# Altium PCB ROBOT_PCB.PcbDoc (part 1 of 3)
Units mm, origin at the board's own origin, x right, y up, seen from the top; angles counter-clockwise.
Board outline 200 x 120 mm, 4 copper layers (Top Layer, POWER, GND, Bottom Layer), stack 2.008 mm thick; 282 components, 218 nets, 958 pads, 289 vias.
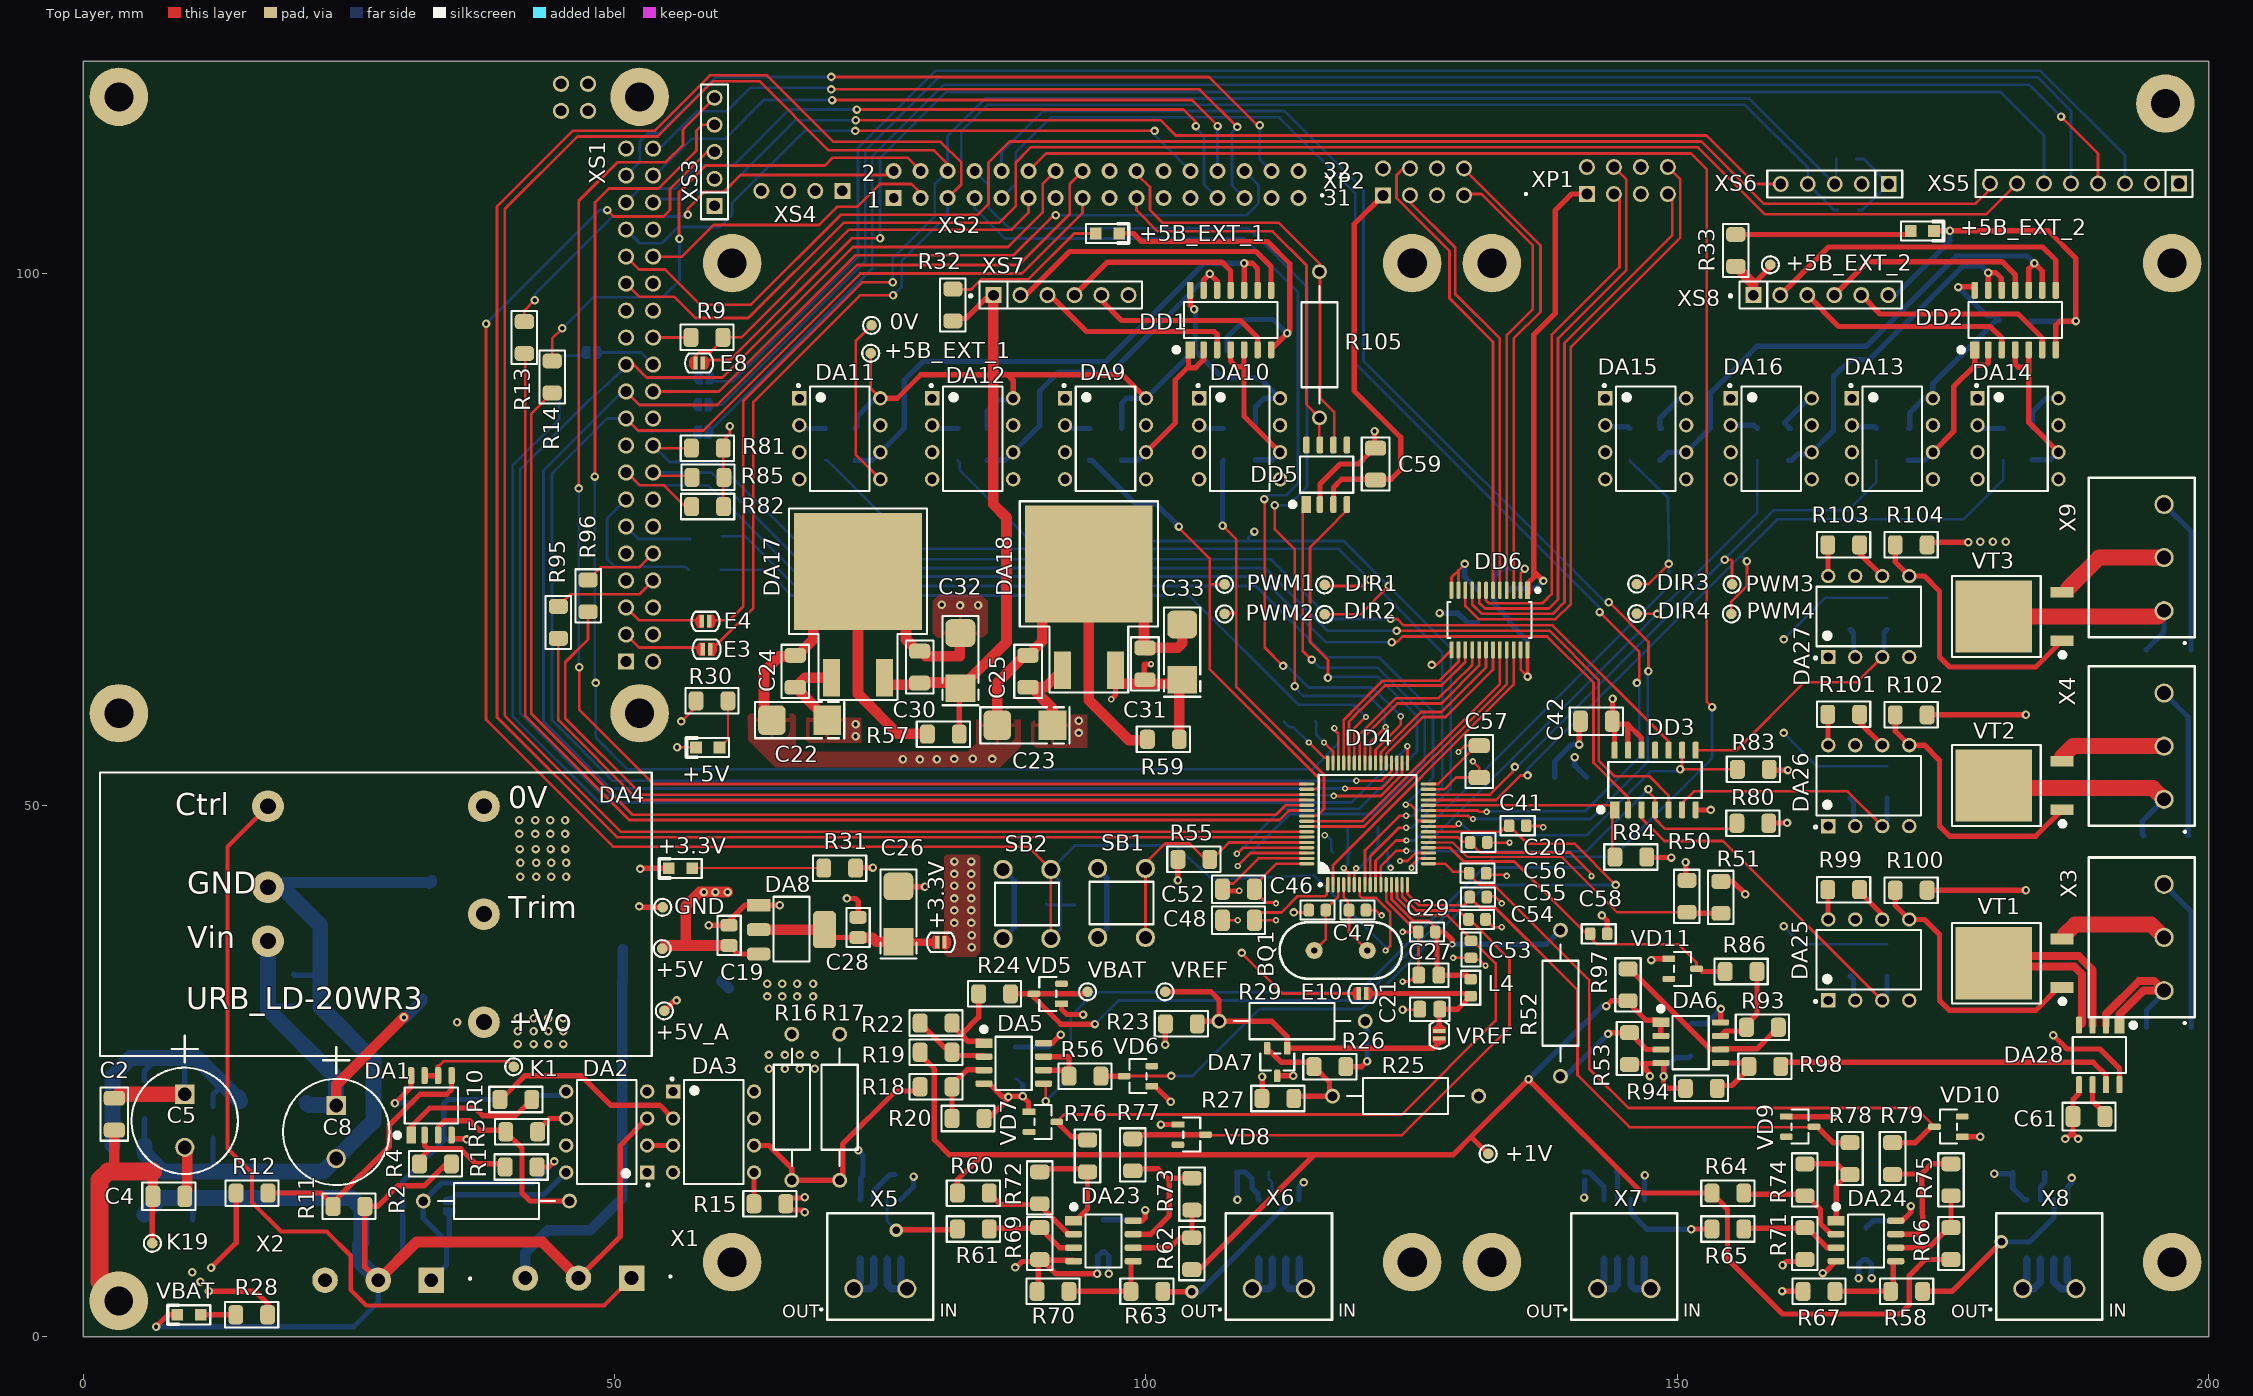
[diagram p0: Top Layer view]
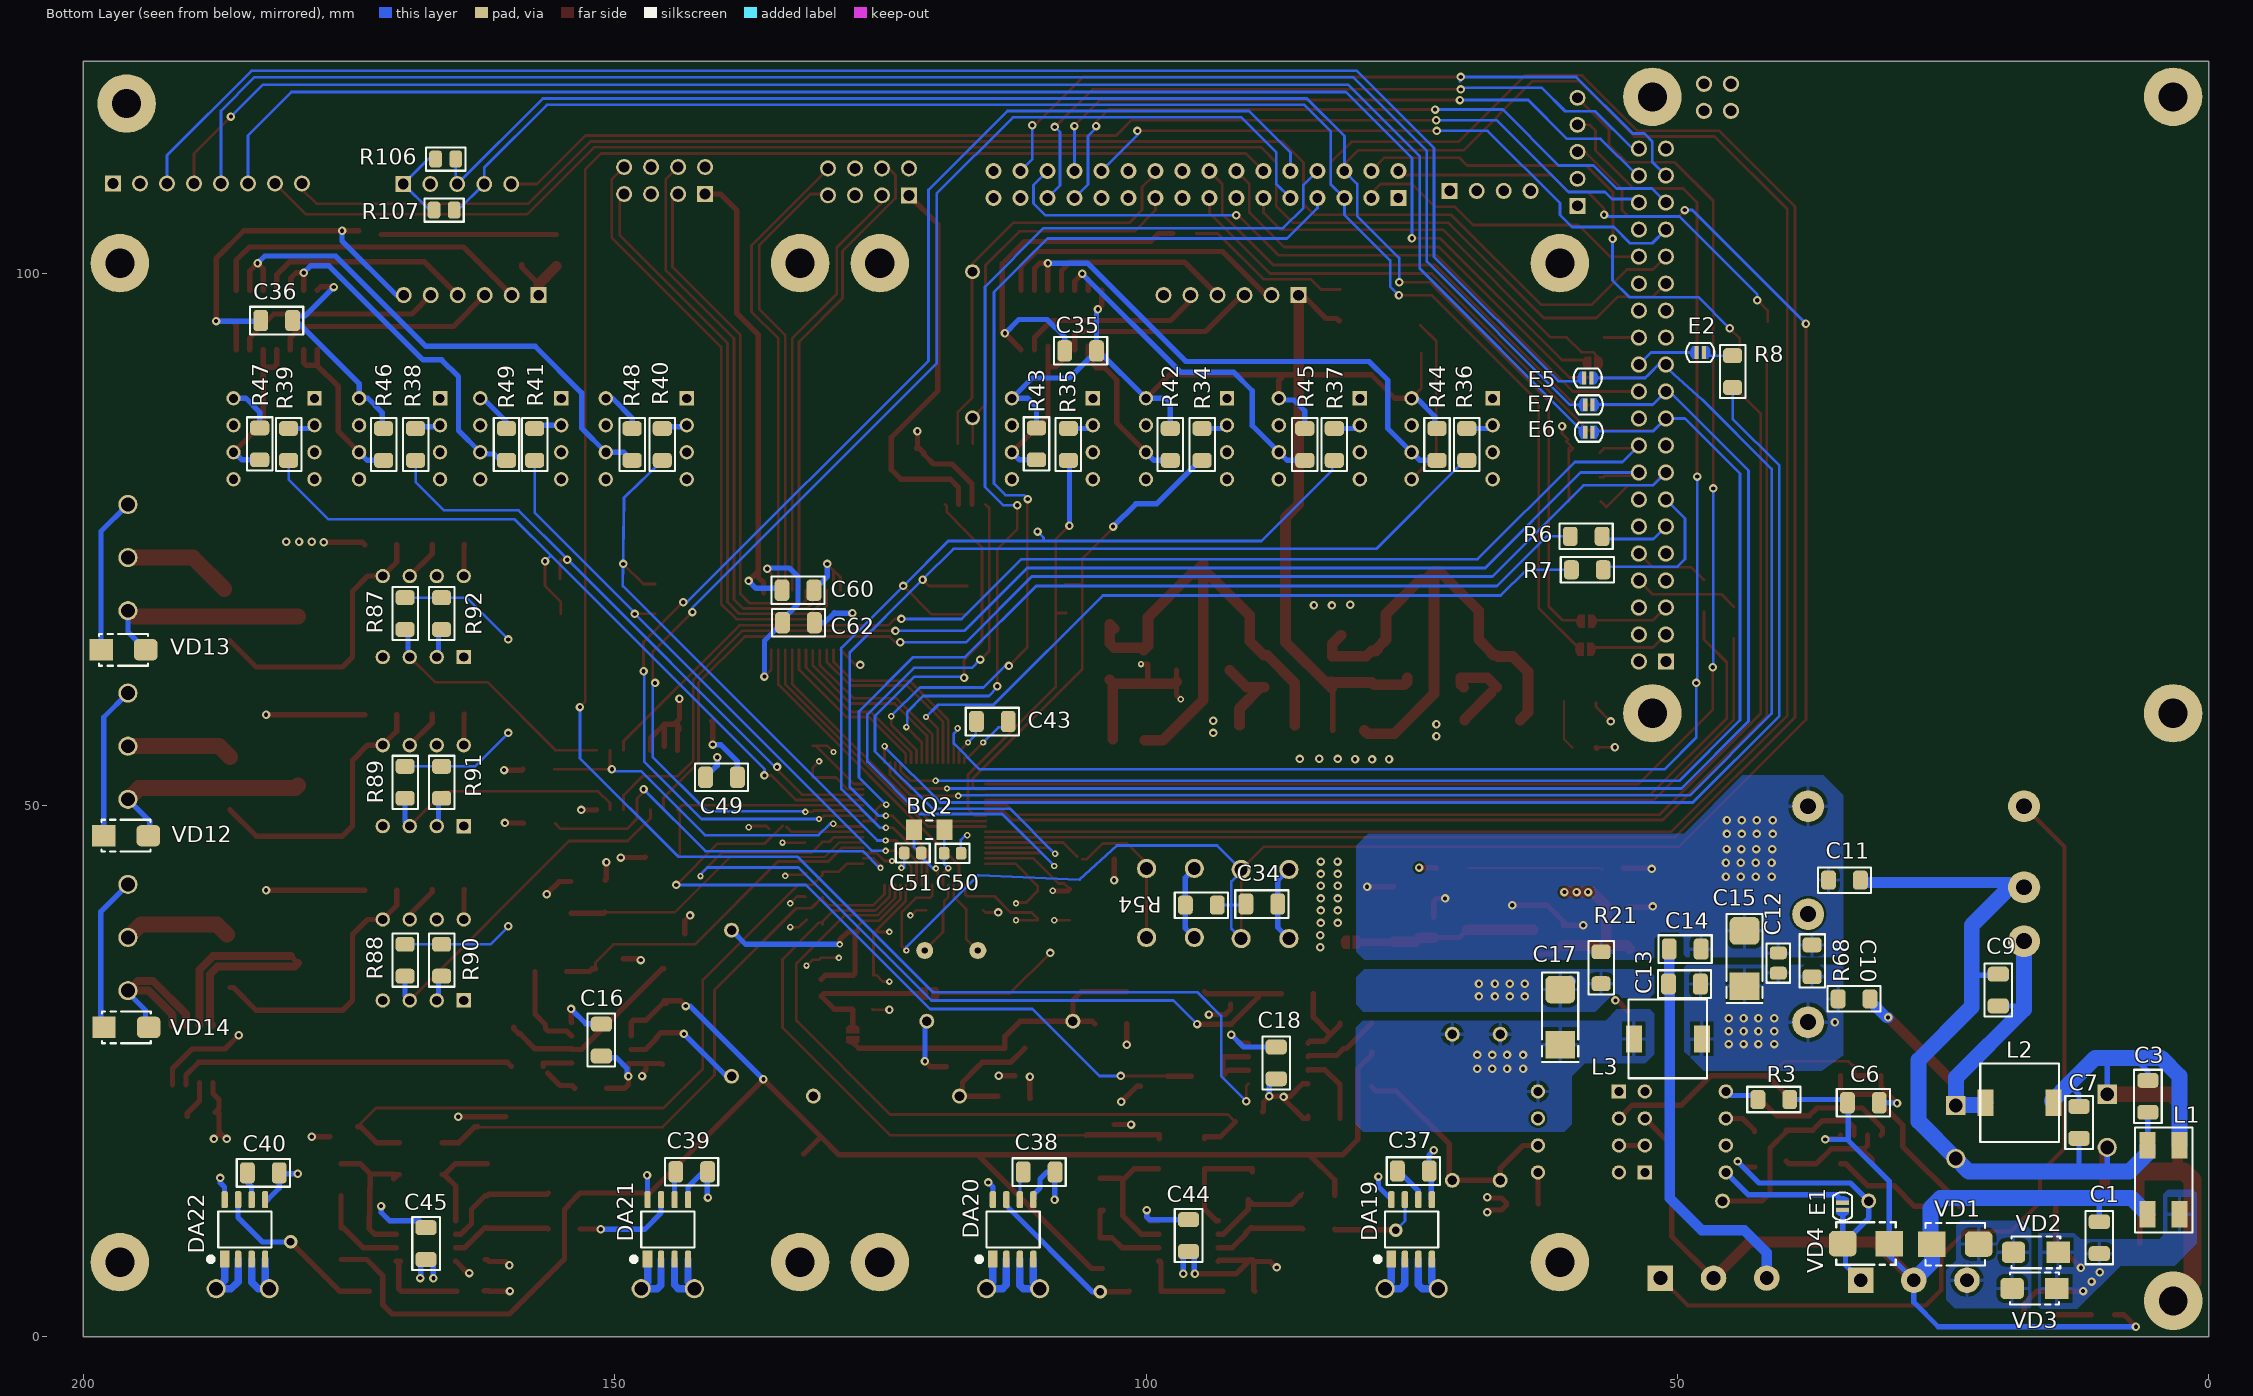
[diagram p1: Bottom Layer view, seen from below]
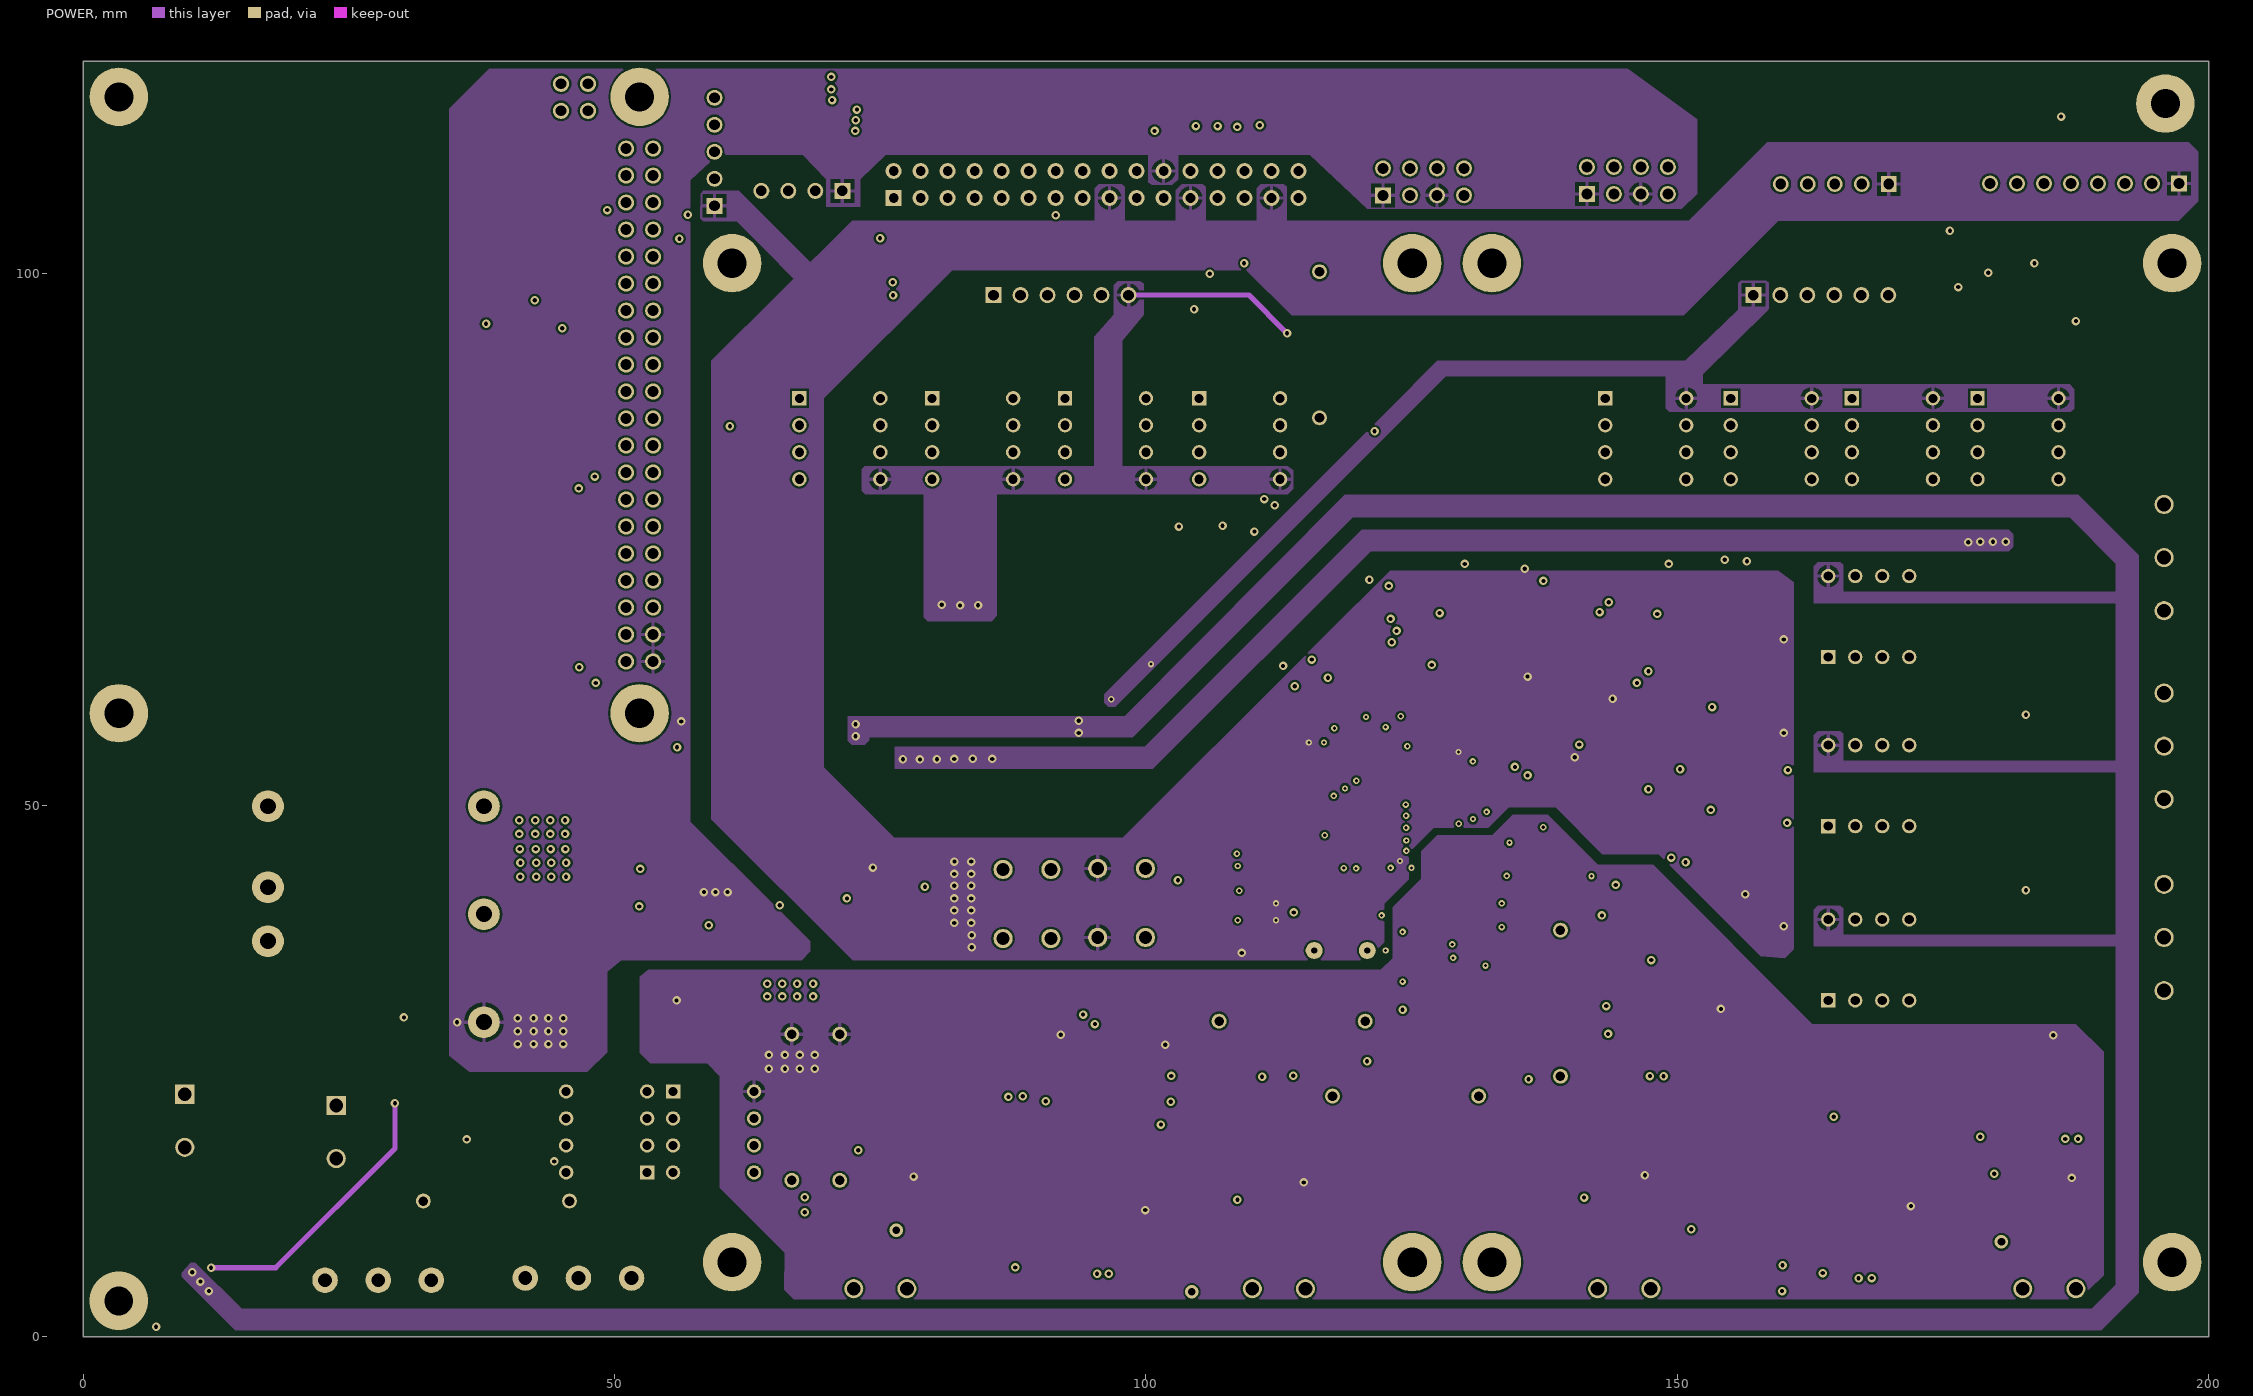
[diagram p2: POWER]
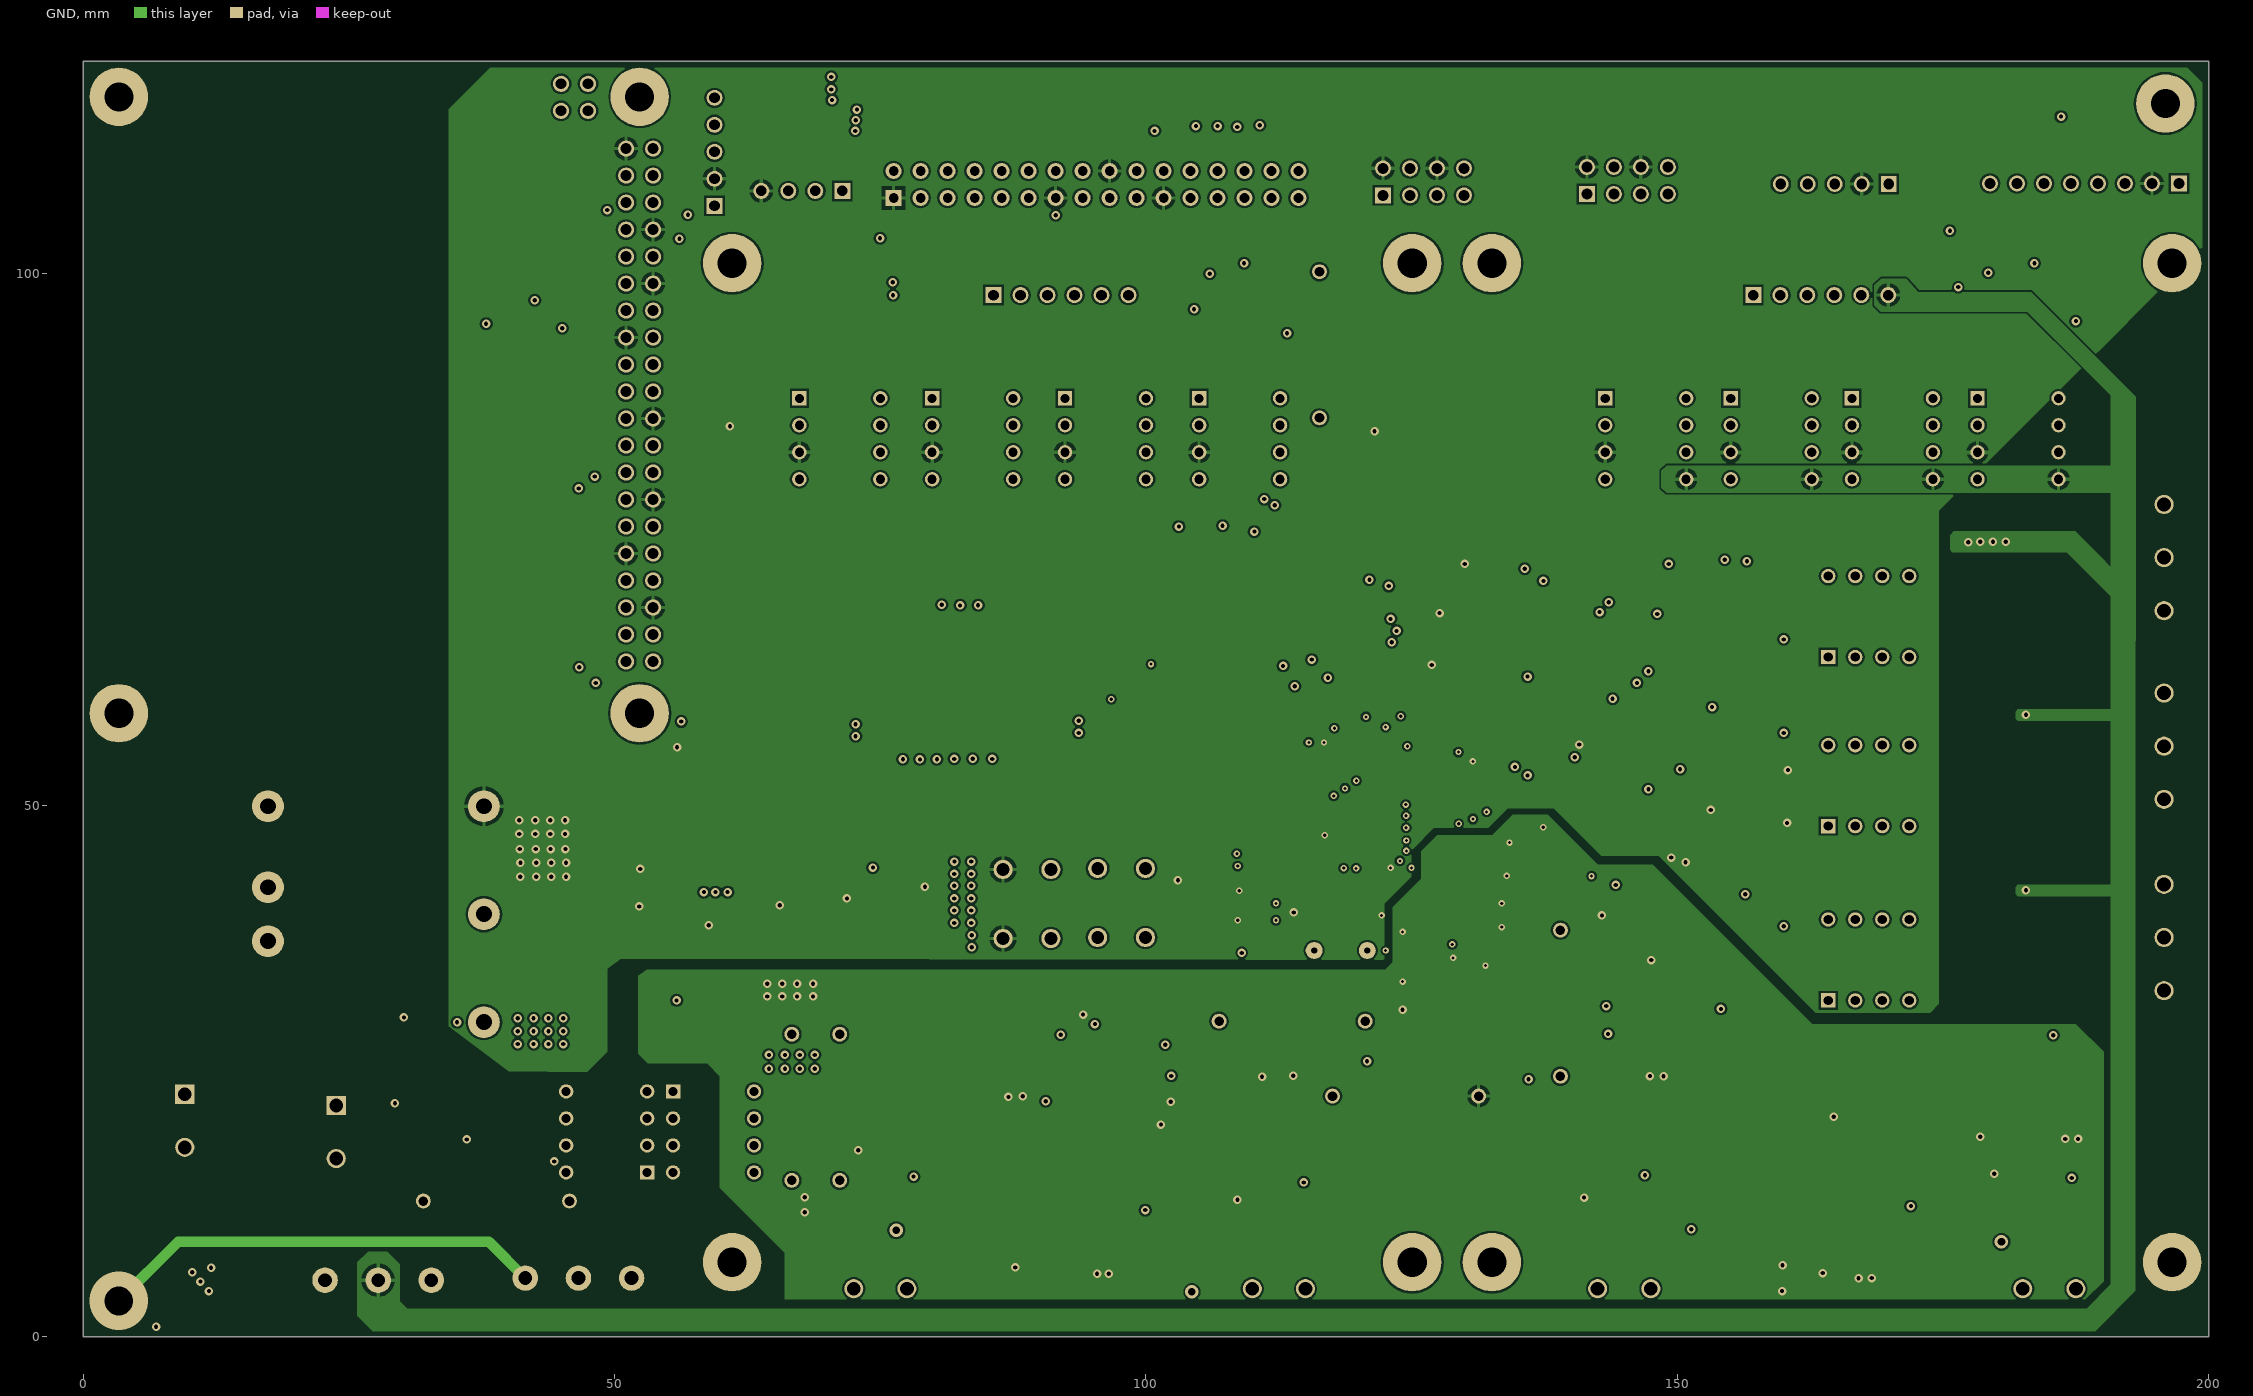
[diagram p3: GND]

## Layer stack, top to bottom
Top Solder: solder mask 0.0254, SM-001, Dk 3.5
Top Layer: signal copper 0.035
Dielectric 1: prepreg 0.193, FR4, Dk 4.6
Dielectric 2: prepreg 0.193, FR4, Dk 4.6
Dielectric 3: prepreg 0.193, FR4, Dk 4.6
POWER: signal copper 0.035
Dielectric 4: core 0.71, FR4, Dk 4.6
GND: signal copper 0.035
Dielectric 5: prepreg 0.193, FR4, Dk 4.6
Dielectric 6: prepreg 0.193, FR4, Dk 4.6
Dielectric 7: prepreg 0.193, FR4, Dk 4.6
Bottom Layer: signal copper 0.035
Bottom Solder: solder mask 0.0254, SM-001, Dk 3.5

## Board outline
0,0 0,120 200,120 200,0

## Design rules (kind name [scope] priority, off if disabled: settings)
AcuteAngle [All] p1: minimum=3.50000000000000E+0001 checktracksonly=FALSE
BoardOutlineClearance "BoardOutlineClearance 1" [All] p1: gap=0.25 ignorepadtopadclearanceinfootprint=FALSE except(0: Arc-SplitContinuation Track-SplitContinuation SMDPad-SplitContinuation THPad-SplitContinuation Via-SplitContinuation Fill-SplitContinuation Poly-SplitContinuation Region-SplitContinuation Text-SplitContinuation) // Milling
BoardOutlineClearance "BoardOutlineClearance 2" [All] p2: gap=0.4 ignorepadtopadclearanceinfootprint=FALSE except(0: Arc-SplitContinuation Track-SplitContinuation SMDPad-SplitContinuation THPad-SplitContinuation Via-SplitContinuation Fill-SplitContinuation Poly-SplitContinuation Region-SplitContinuation Text-SplitContinuation) // V-Cut
Clearance "Clearance-1 1 Oz" [All] p1: gap=0.2 ignorepadtopadclearanceinfootprint=FALSE // Standart
DiffPairsRouting "DiffPairsRouting 1 Oz" [All] p1: maxlimit=0.254 minlimit=0.2 mostfreqgap=0.254 toplayer_minwidth=0.2 toplayer_maxwidth=0.381 toplayer_prefwidth=0.381 midlayer1_minwidth=0.2 midlayer1_maxwidth=0.381 midlayer1_prefwidth=0.381 midlayer2_minwidth=0.2 midlayer2_maxwidth=0.381 midlayer2_prefwidth=0.381 bottomlayer_minwidth=0.2 bottomlayer_maxwidth=0.381 bottomlayer_prefwidth=0.381 substack1={6C077AE9-DDCA-492A-B8BC-C937FA85A17B} toplayer_{6c077ae9-ddca-492a-b8bc-c937fa85a17b}_minwidth=0.381 toplayer_{6c077ae9-ddca-492a-b8bc-c937fa85a17b}_maxwidth=0.381 toplayer_{6c077ae9-ddca-492a-b8bc-c937fa85a17b}_prefwidth=0.381 midlayer1_{6c077ae9-ddca-492a-b8bc-c937fa85a17b}_minwidth=0.381 midlayer1_{6c077ae9-ddca-492a-b8bc-c937fa85a17b}_maxwidth=0.381 midlayer1_{6c077ae9-ddca-492a-b8bc-c937fa85a17b}_prefwidth=0.381 midlayer2_{6c077ae9-ddca-492a-b8bc-c937fa85a17b}_minwidth=0.381 midlayer2_{6c077ae9-ddca-492a-b8bc-c937fa85a17b}_maxwidth=0.381 midlayer2_{6c077ae9-ddca-492a-b8bc-c937fa85a17b}_prefwidth=0.381 bottomlayer_{6c077ae9-ddca-492a-b8bc-c937fa85a17b}_minwidth=0.381 bottomlayer_{6c077ae9-ddca-492a-b8bc-c937fa85a17b}_maxwidth=0.381 bottomlayer_{6c077ae9-ddca-492a-b8bc-c937fa85a17b}_prefwidth=0.381 maxuncoupledlength=12.7
DiffPairsRouting "DiffPairsRouting 1/2 Oz" [All] p2: maxlimit=0.254 minlimit=0.1 mostfreqgap=0.254 toplayer_minwidth=0.1 toplayer_maxwidth=0.381 toplayer_prefwidth=0.381 midlayer1_minwidth=0.1 midlayer1_maxwidth=0.381 midlayer1_prefwidth=0.381 midlayer2_minwidth=0.1 midlayer2_maxwidth=0.381 midlayer2_prefwidth=0.381 bottomlayer_minwidth=0.1 bottomlayer_maxwidth=0.381 bottomlayer_prefwidth=0.381 substack1={6C077AE9-DDCA-492A-B8BC-C937FA85A17B} toplayer_{6c077ae9-ddca-492a-b8bc-c937fa85a17b}_minwidth=0.381 toplayer_{6c077ae9-ddca-492a-b8bc-c937fa85a17b}_maxwidth=0.381 toplayer_{6c077ae9-ddca-492a-b8bc-c937fa85a17b}_prefwidth=0.381 midlayer1_{6c077ae9-ddca-492a-b8bc-c937fa85a17b}_minwidth=0.381 midlayer1_{6c077ae9-ddca-492a-b8bc-c937fa85a17b}_maxwidth=0.381 midlayer1_{6c077ae9-ddca-492a-b8bc-c937fa85a17b}_prefwidth=0.381 midlayer2_{6c077ae9-ddca-492a-b8bc-c937fa85a17b}_minwidth=0.381 midlayer2_{6c077ae9-ddca-492a-b8bc-c937fa85a17b}_maxwidth=0.381 midlayer2_{6c077ae9-ddca-492a-b8bc-c937fa85a17b}_prefwidth=0.381 bottomlayer_{6c077ae9-ddca-492a-b8bc-c937fa85a17b}_minwidth=0.381 bottomlayer_{6c077ae9-ddca-492a-b8bc-c937fa85a17b}_maxwidth=0.381 bottomlayer_{6c077ae9-ddca-492a-b8bc-c937fa85a17b}_prefwidth=0.381 maxuncoupledlength=12.7
HoleSize "Minimum HoleSize" [IsPad] p1: absolutevalues=TRUE maxlimit=5.9 minlimit=0.6 maxpercent=80.000 minpercent=20.000
HoleSize "Minimum HoleSize VIA 1" [IsVia] p2: absolutevalues=TRUE maxlimit=5.9 minlimit=0.3 maxpercent=80.000 minpercent=20.000 // Standart
HoleSize "Minimum HoleSize VIA 2" [IsVia] p3: absolutevalues=TRUE maxlimit=5.9 minlimit=0.2 maxpercent=80.000 minpercent=20.000 // Advance
HoleToHoleClearance Hole2HoleClearance [All] p1: gap=0.25 allowstackedmicrovias=FALSE
MinimumAnnularRing "Minimum AR VIA Standart" [IsVia] p1: minimumring=0.15
MinimumAnnularRing "Minimum AR PAD Standart" [IsPAD] p2: minimumring=0.2
MinimumAnnularRing "Minimum AR VIA Advance" [IsVia] p3: minimumring=0.1
MinimumAnnularRing "Minimum AR PAD Advance" [IsPAD] p4: minimumring=0.15
MinimumSolderMaskSliver "SolderMask Bridge Standart" [All] p1: minsoldermaskwidth=0.2 // All Masks
MinimumSolderMaskSliver "SolderMask Bridge Advance" [All] p2: minsoldermaskwidth=0.2 // Mask LDI
PlaneClearance "PlaneClearance 1 Oz" [All] p1: clearance=0.35
PlaneConnect "TermalConnect-1 1 Oz" [All] p1: pad.planeconnectstyle=Relief pad.reliefexpansion=0.35 pad.reliefentries=4 pad.reliefconductorwidth=0.35 pad.reliefairgap=0.35 via.planeconnectstyle=Direct via.reliefexpansion=0.2 via.reliefentries=4 via.reliefconductorwidth=0.2 via.reliefairgap=0.2 // Standart
PolygonConnect "PolygonConnect-1 1 Oz" [All] p1: thpad.connectstyle=Relief thpad.reliefconductorwidth=0.35 thpad.reliefentries=4 thpad.polygonreliefangle="90 Angle" thpad.airgapwidth=0.35 smdpad.connectstyle=Relief smdpad.reliefconductorwidth=0.35 smdpad.reliefentries=4 smdpad.polygonreliefangle="90 Angle" smdpad.airgapwidth=0.35 via.connectstyle=Direct via.reliefconductorwidth=0.254 via.reliefentries=4 via.polygonreliefangle="90 Angle" via.airgapwidth=0.254 // Standart
RoutingCorners [All] p1 off: cornerstyle=45-Degree minsetback=2.54 maxsetback=2.54
RoutingVias [All] p1: holewidth=0.3 width=0.6 viastyle="Through Hole" minholewidth=0.2 minwidth=0.4 maxholewidth=5.9 maxwidth=6.4
SilkToSilkClearance Silk2SilkClearance [All] p1 off: silktosilkclearance=0.15
SilkToSolderMaskClearance Silk2SolderMaskClearance [IsPad] p1 off: minsilkscreentomaskgap=0.15 clearancetoexposedcopper=TRUE
SolderMaskExpansion SolderMaskExpansion-1 [All] p1: expansion=0.2 istentingtop=FALSE // Standart
SolderMaskExpansion "SolderMaskExpansion LDI" [All] p2: expansion=0.2 istentingtop=FALSE // Advance
UnRoutedNet [All] p1: checkbadconnections=TRUE
Width "Width 1 Oz" [All] p1: maxlimit=10 minlimit=0.2 preferedwidth=0.2 substack1={6C077AE9-DDCA-492A-B8BC-C937FA85A17B} minimp=50.000000 maximp=50.000000 favimp=50.000000 checkconnectedcopper=TRUE